# KiCad board Breadboard_power_supply.kicad_pcb (continued)
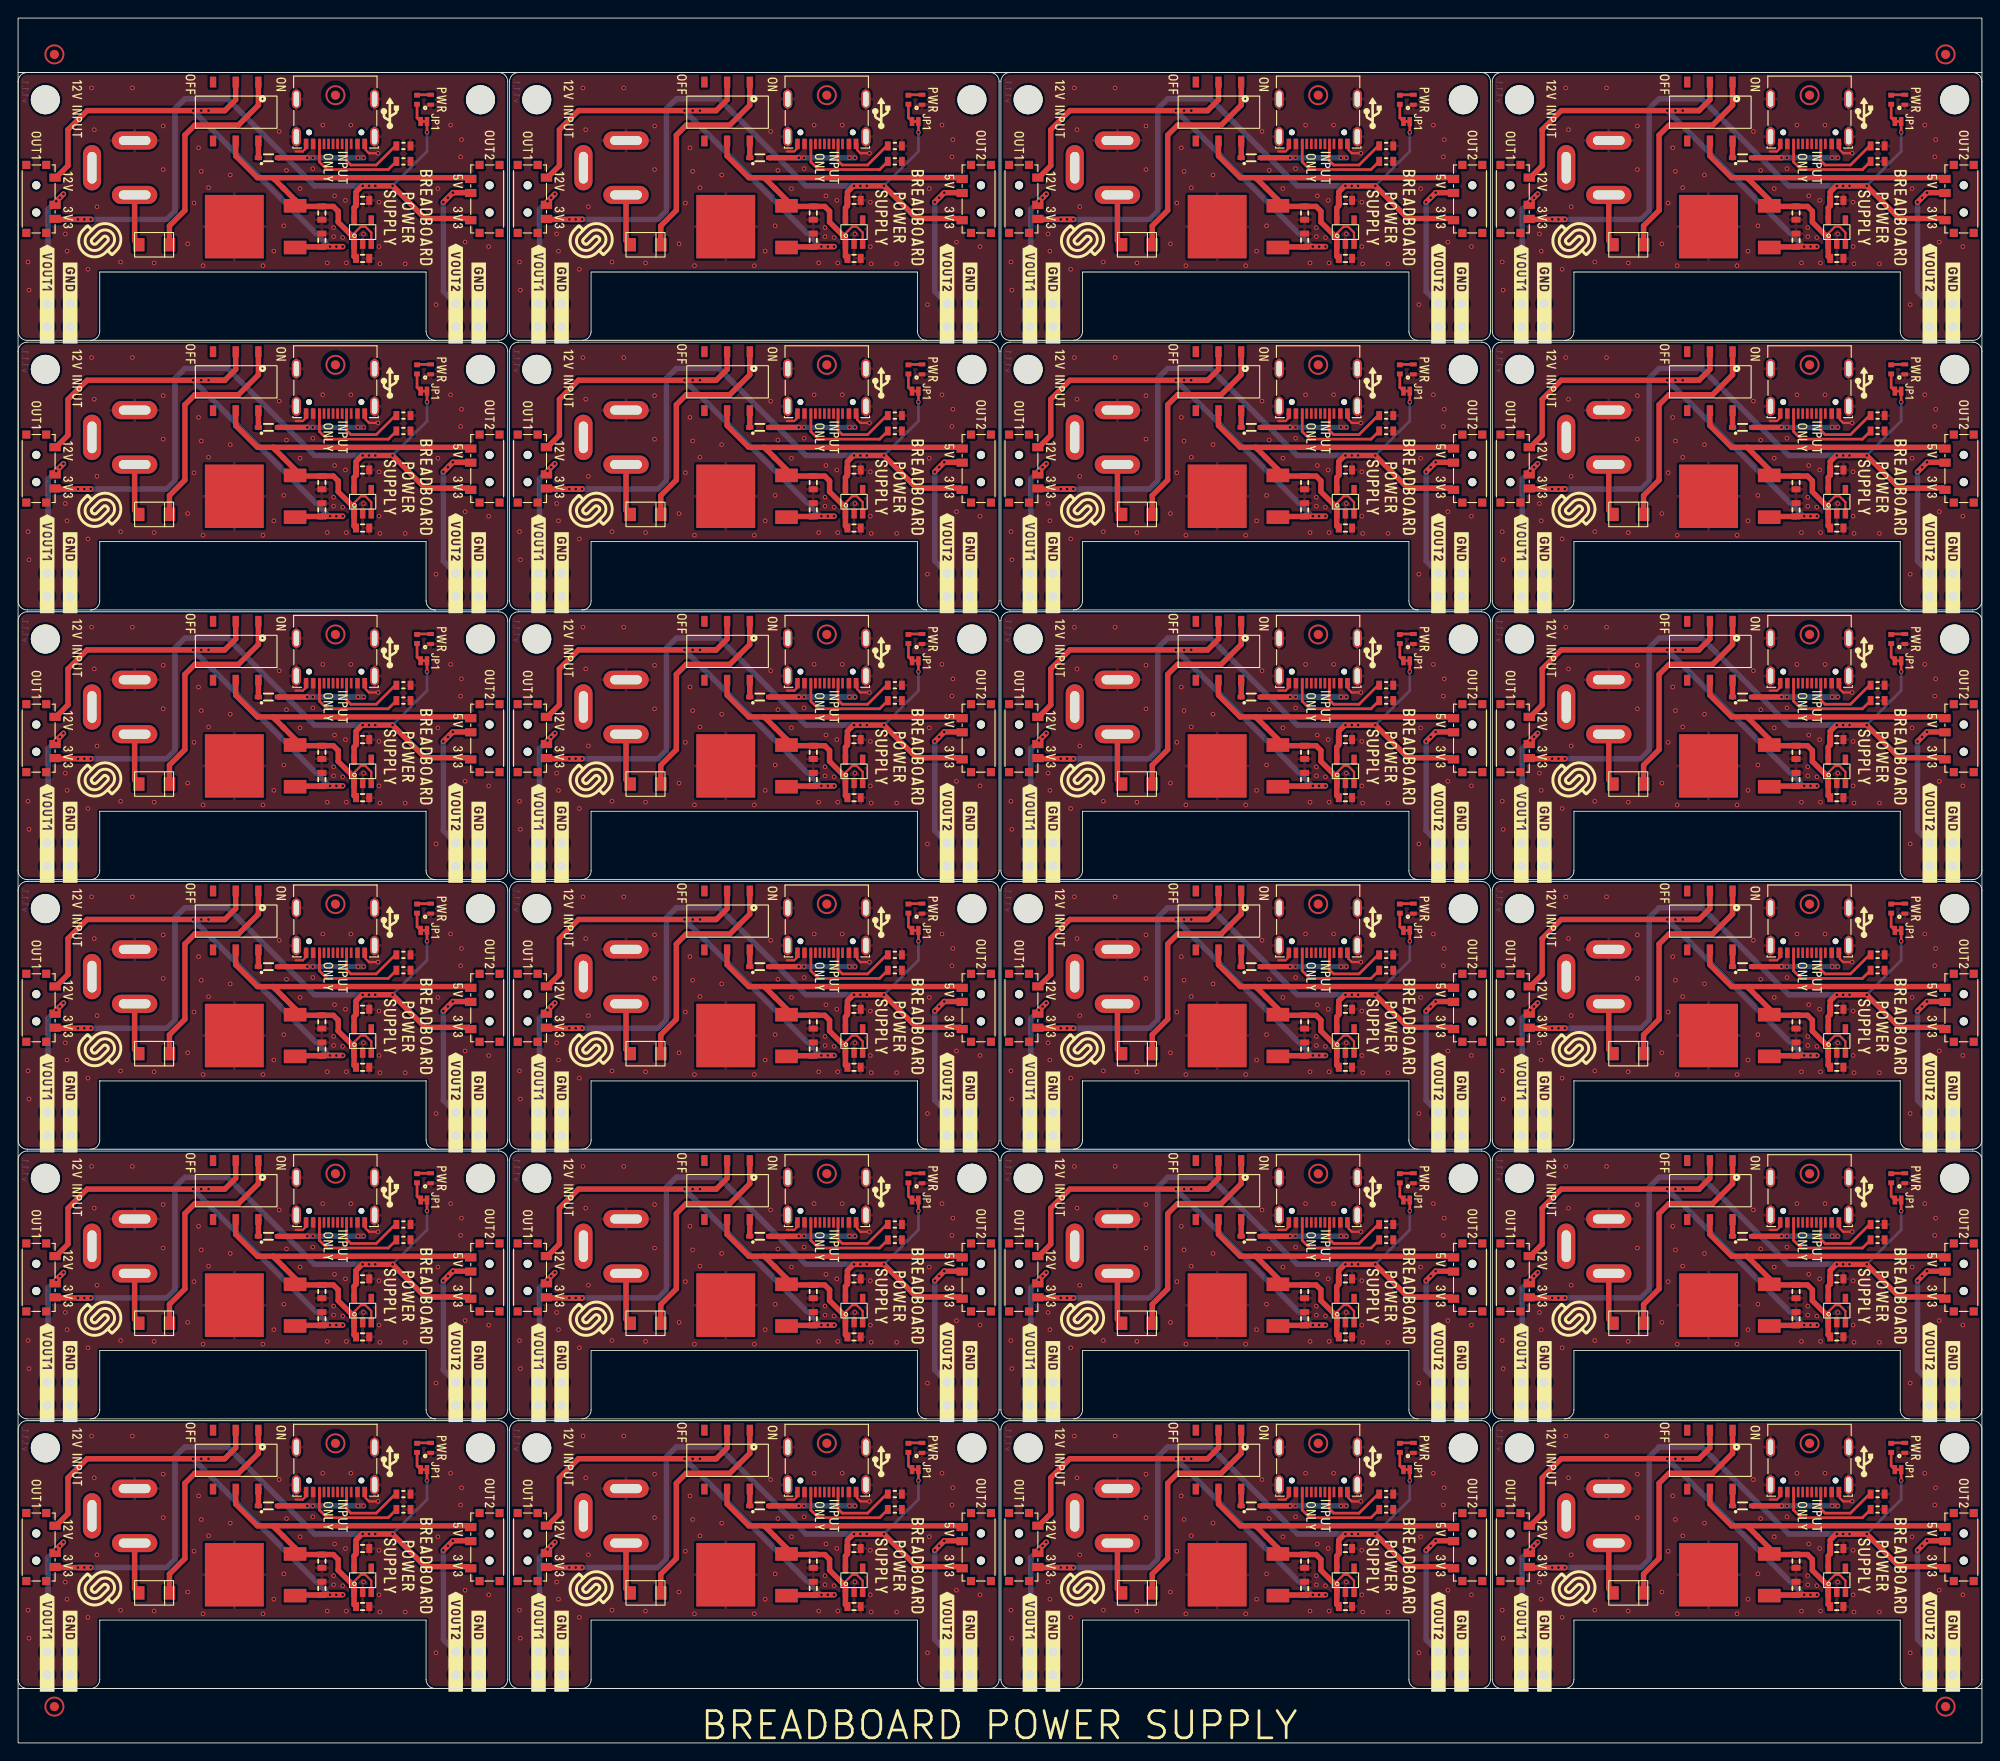
[diagram p0: board, top side]
## Routing (per net, layer and track width the routed paths; a pad name or vN(x,y) marks a point on that pad's centre or on a via; arc(x,y) is an arc through that point) (continued)
Net-(D1-Pad1): length 225.6
  Top w0.6: v1(194.5,55.88) 191.3,55.88 D1#17.1 ; v1(194.5,85.62) 191.3,85.62 D1#11.1 ; v1(140.3,145.1) 137.1,145.1 D1#21.1 ; D1.1 191.3,174.84 v1(194.5,174.84) ; v1(86.1,55.88) 82.9,55.88 D1#20.1 ; v1(194.5,115.36) 191.3,115.36 D1#6.1 ; D1#3.1 82.9,26.14 v1(86.1,26.14) ; v1(31.9,26.14) 28.7,26.14 D1#14.1 ; D1#15.1 28.7,115.36 v1(31.9,115.36) ; D1#12.1 191.3,145.1 v1(194.5,145.1) ; D1#23.1 82.9,85.62 v1(86.1,85.62) ; v1(140.3,55.88) 137.1,55.88 D1#18.1 ; v1(140.3,115.36) 137.1,115.36 D1#8.1 ; v1(140.3,26.14) 137.1,26.14 D1#7.1 ; D1#19.1 82.9,145.1 v1(86.1,145.1) ; v1(31.9,85.62) 28.7,85.62 D1#2.1 ; v1(140.3,85.62) 137.1,85.62 D1#9.1 ; v1(31.9,174.84) 28.7,174.84 D1#24.1 ; D1#4.1 82.9,174.84 v1(86.1,174.84) ; v1(194.5,26.14) 191.3,26.14 D1#22.1 ; v1(31.9,145.1) 28.7,145.1 D1#10.1 ; v1(31.9,55.88) 28.7,55.88 D1#5.1 ; D1#16.1 137.1,174.84 v1(140.3,174.84) ; v1(86.1,115.36) 82.9,115.36 D1#13.1
  Bottom w0.6: v1(146.5,145.1) v1(140.3,145.1) ; v1(92.3,55.88) v1(86.1,55.88) ; v1(146.5,85.62) v1(140.3,85.62) ; v1(92.3,115.36) v1(86.1,115.36) ; v1(146.5,115.36) v1(140.3,115.36) ; v1(146.5,174.84) v1(140.3,174.84) ; v1(92.3,174.84) v1(86.1,174.84) ; v1(200.7,145.1) v1(194.5,145.1) ; v1(38.1,85.62) v1(31.9,85.62) ; v1(38.1,115.36) v1(31.9,115.36) ; v1(200.7,174.84) v1(194.5,174.84) ; v1(146.5,26.14) v1(140.3,26.14) ; v1(92.3,26.14) v1(86.1,26.14) ; v1(92.3,85.62) v1(86.1,85.62) ; v1(200.7,115.36) v1(194.5,115.36) ; v1(38.1,26.14) v1(31.9,26.14) ; v1(200.7,85.62) v1(194.5,85.62) ; v1(38.1,55.88) v1(31.9,55.88) ; v1(38.1,145.1) v1(31.9,145.1) ; v1(200.7,55.88) v1(194.5,55.88) ; v1(92.3,145.1) v1(86.1,145.1) ; v1(38.1,174.84) v1(31.9,174.84) ; v1(200.7,26.14) v1(194.5,26.14) ; v1(146.5,55.88) v1(140.3,55.88)
  vias: v1(32.5,174.84) v1(32.5,145.1) v1(32.5,115.36) v1(32.5,85.62) v1(32.5,55.88) v1(32.5,26.14) v1(37.5,174.84) v1(37.5,145.1) v1(37.5,115.36) v1(37.5,85.62) v1(37.5,55.88) v1(37.5,26.14) v1(86.7,174.84) v1(86.7,145.1) v1(86.7,115.36) v1(86.7,85.62) v1(86.7,55.88) v1(86.7,26.14) v1(91.7,174.84) v1(91.7,145.1) v1(91.7,115.36) v1(91.7,85.62) v1(91.7,55.88) v1(91.7,26.14) v1(140.9,174.84) v1(140.9,145.1) v1(140.9,115.36) v1(140.9,85.62) v1(140.9,55.88) v1(140.9,26.14) v1(145.9,174.84) v1(145.9,145.1) v1(145.9,115.36) v1(145.9,85.62) v1(145.9,55.88) v1(145.9,26.14) v1(195.1,174.84) v1(195.1,145.1) v1(195.1,115.36) v1(195.1,85.62) v1(195.1,55.88) v1(195.1,26.14) v1(200.1,174.84) v1(200.1,145.1) v1(200.1,115.36) v1(200.1,85.62) v1(200.1,55.88) v1(200.1,26.14)
Net-(D2-Pad1): length 136.6
  Top w0.6: K2#18.1 121.25,76.48 D2#7.1 ; K2#23.1 12.85,76.48 D2#12.1 ; K2#12.1 175.45,17 D2#24.1 ; D2#22.1 67.05,17 K2#6.1 ; D2#2.1 12.85,106.22 K2#21.1 ; K2#17.1 67.05,106.22 D2#19.1 ; K2#13.1 175.45,106.22 D2#23.1 ; K2#19.1 12.85,17 D2#17.1 ; K2#11.1 121.25,46.74 D2#4.1 ; D2#3.1 12.85,46.74 K2#20.1 ; D2#8.1 121.25,17 K2#14.1 ; K2#7.1 175.45,165.7 D2.1 ; D2#20.1 12.85,165.7 K2#4.1 ; D2#6.1 121.25,165.7 K2#3.1 ; K2#15.1 67.05,46.74 D2#10.1 ; D2#9.1 67.05,135.96 K2#10.1 ; D2#5.1 175.45,76.48 K2#22.1 ; D2#16.1 12.85,135.96 K2#5.1 ; D2#15.1 67.05,76.48 K2.1 ; D2#21.1 175.45,46.74 K2#8.1 ; D2#13.1 67.05,165.7 K2#2.1 ; D2#14.1 175.45,135.96 K2#16.1 ; D2#18.1 121.25,106.22 K2#9.1 ; D2#11.1 121.25,135.96 K2#24.1
Net-(D3-Pad1): length 36.5
  Top w0.3: R3#19.2 152.45,33.09 D3#7.1 ; D3#4.1 206.65,122.31 R3.2 ; R3#5.2 98.25,181.79 D3#23.1 ; D3#19.1 44.05,33.09 R3#12.2 ; D3#13.1 44.05,92.57 R3#22.2 ; R3#6.2 152.45,181.79 D3#2.1 ; R3#21.2 44.05,62.83 D3#8.1 ; D3#24.1 206.65,92.57 R3#2.2 ; R3#23.2 206.65,62.83 D3#6.1 ; R3#9.2 44.05,152.05 D3#12.1 ; D3#18.1 152.45,62.83 R3#16.2 ; D3#9.1 98.25,122.31 R3#15.2 ; R3#14.2 152.45,152.05 D3#14.1 ; D3#22.1 98.25,33.09 R3#11.2 ; R3#3.2 44.05,181.79 D3#17.1 ; R3#7.2 152.45,122.31 D3#3.1 ; R3#4.2 152.45,92.57 D3#15.1 ; R3#24.2 98.25,152.05 D3#16.1 ; D3#11.1 98.25,92.57 R3#20.2 ; D3.1 206.65,152.05 R3#13.2 ; R3#8.2 206.65,181.79 D3#21.1 ; D3#5.1 44.05,122.31 R3#10.2 ; R3#18.2 98.25,62.83 D3#20.1 ; D3#10.1 206.65,33.09 R3#17.2
Net-(JP1-Pad2): length 49.6
  Top w0.3: JP1#17.2 152.4,179.24 R3#6.1 ; R3#23.1 206.6,60.28 JP1#11.2 ; JP1#15.2 98.2,90.02 R3#20.1 ; JP1#20.2 152.4,30.54 R3#19.1 ; JP1#10.2 44,179.24 R3#3.1 ; JP1#4.2 98.2,60.28 R3#18.1 ; JP1#3.2 44,60.28 R3#21.1 ; R3#15.1 98.2,119.76 JP1#16.2 ; R3#12.1 44,30.54 JP1#22.2 ; JP1#6.2 152.4,149.5 R3#14.1 ; R3.1 206.6,119.76 JP1#18.2 ; R3#11.1 98.2,30.54 JP1#5.2 ; R3#5.1 98.2,179.24 JP1#21.2 ; R3#24.1 98.2,149.5 JP1#2.2 ; JP1#12.2 152.4,119.76 R3#7.1 ; R3#17.1 206.6,30.54 JP1#9.2 ; JP1#8.2 206.6,179.24 R3#8.1 ; JP1#23.2 44,119.76 R3#10.1 ; R3#2.1 206.6,90.02 JP1.2 ; JP1#14.2 152.4,60.28 R3#16.1 ; JP1#7.2 152.4,90.02 R3#4.1 ; JP1#24.2 44,149.5 R3#9.1 ; JP1#13.2 206.6,149.5 R3#13.1 ; JP1#19.2 44,90.02 R3#22.1
Net-(K1-PadA5): length 211.5
  Top w0.3: R2#9.1 41.6,176.14 39.5,174.04 36.7,174.04 36.24,174.5 36.24,176.76 ; 36.24,87.54 36.24,85.28 36.7,84.82 39.5,84.82 41.6,86.92 R2#15.1 ; 144.64,28.06 144.64,25.8 145.1,25.34 147.9,25.34 150,27.44 R2#12.1 ; R2#10.1 150,86.92 147.9,84.82 145.1,84.82 144.64,85.28 144.64,87.54 ; 204.32,27.44 204.2,27.44 202.1,25.34 199.3,25.34 198.84,25.8 198.84,28.06 ; 90.44,147.03 90.44,144.76 90.9,144.3 93.7,144.3 95.8,146.4 R2.1 ; 36.24,28.06 36.24,25.8 36.7,25.34 39.5,25.34 41.6,27.44 R2#14.1 ; 90.44,57.81 90.44,55.54 90.9,55.08 93.7,55.08 95.8,57.18 R2#21.1 ; 144.64,147.03 144.64,144.76 145.1,144.3 147.9,144.3 150,146.4 R2#17.1 ; R2#22.1 41.6,116.66 39.5,114.56 36.7,114.56 36.24,115.02 36.24,117.28 ; 90.44,87.54 90.44,85.28 90.9,84.82 93.7,84.82 95.8,86.92 R2#11.1 ; 90.44,117.28 90.44,115.02 90.9,114.56 93.7,114.56 95.8,116.66 R2#6.1 ; 198.84,176.76 198.84,174.5 199.3,174.04 202.1,174.04 204.2,176.14 204.32,176.14 ; 204.32,146.4 204.2,146.4 202.1,144.3 199.3,144.3 198.84,144.76 198.84,147.03 ; R2#20.1 41.6,57.18 39.5,55.08 36.7,55.08 36.24,55.54 36.24,57.81 ; 144.64,176.76 144.64,174.5 145.1,174.04 147.9,174.04 150,176.14 R2#23.1 ; R2#7.1 95.8,176.14 93.7,174.04 90.9,174.04 90.44,174.5 90.44,176.76 ; 198.84,57.81 198.84,55.54 199.3,55.08 202.1,55.08 204.2,57.18 204.32,57.18 ; R2#2.1 150,57.18 147.9,55.08 145.1,55.08 144.64,55.54 144.64,57.81 ; 90.44,28.06 90.44,25.8 90.9,25.34 93.7,25.34 95.8,27.44 R2#4.1 ; 204.32,116.66 204.2,116.66 202.1,114.56 199.3,114.56 198.84,115.02 198.84,117.28 ; 144.64,117.28 144.64,115.02 145.1,114.56 147.9,114.56 150,116.66 R2#3.1 ; 204.32,86.92 204.2,86.92 202.1,84.82 199.3,84.82 198.84,85.28 198.84,87.54 ; R2#16.1 41.6,146.4 39.5,144.3 36.7,144.3 36.24,144.76 36.24,147.03
Net-(K1-PadB5): length 278.3
  Top w0.3: R1#6.1 95.03,173.54 88.27,173.54 87.44,174.38 87.44,176.76 ; 195.84,176.76 195.84,174.38 196.67,173.54 203.43,173.54 204.32,174.44 ; R1.1 95.03,84.32 88.27,84.32 87.44,85.16 87.44,87.54 ; 141.64,28.06 141.64,25.68 142.47,24.84 149.22,24.84 R1#24.1 ; R1#12.1 95.03,114.06 88.27,114.06 87.44,114.9 87.44,117.28 ; R1#14.1 149.22,143.8 142.47,143.8 141.64,144.64 141.64,147.03 ; 33.24,87.54 33.24,85.16 34.07,84.32 40.83,84.32 R1#15.1 ; 195.84,117.28 195.84,114.9 196.67,114.06 203.43,114.06 204.32,114.96 ; 141.64,87.54 141.64,85.16 142.47,84.32 149.22,84.32 R1#4.1 ; 204.32,55.48 203.43,54.58 196.67,54.58 195.84,55.42 195.84,57.81 ; 141.64,176.76 141.64,174.38 142.47,173.54 149.22,173.54 R1#18.1 ; 204.32,144.7 203.43,143.8 196.67,143.8 195.84,144.64 195.84,147.03 ; R1#16.1 40.83,143.8 34.07,143.8 33.24,144.64 33.24,147.03 ; 33.24,57.81 33.24,55.42 34.07,54.58 40.83,54.58 R1#22.1 ; R1#17.1 95.03,24.84 88.27,24.84 87.44,25.68 87.44,28.06 ; 141.64,57.81 141.64,55.42 142.47,54.58 149.22,54.58 R1#5.1 ; R1#8.1 95.03,143.8 88.27,143.8 87.44,144.64 87.44,147.03 ; 87.44,57.81 87.44,55.42 88.27,54.58 95.03,54.58 R1#21.1 ; R1#11.1 40.83,114.06 34.07,114.06 33.24,114.9 33.24,117.28 ; 204.32,85.22 203.43,84.32 196.67,84.32 195.84,85.16 195.84,87.54 ; 33.24,176.76 33.24,174.38 34.07,173.54 40.83,173.54 R1#13.1 ; 141.64,117.28 141.64,114.9 142.47,114.06 149.22,114.06 R1#2.1 ; 195.84,28.06 195.84,25.68 196.67,24.84 203.43,24.84 204.32,25.74 ; R1#7.1 40.83,24.84 34.07,24.84 33.24,25.68 33.24,28.06
Net-(K3-Pad2): length 408.6
  Top w0.6: 58.3,169.59 58.33,169.59 58.33,169.97 v1(59.2,170.84) ; v1(5,22.14) 4.12,21.26 4.12,20.9 4.09,20.9 ; v1(59.2,141.1) 58.33,140.22 58.33,139.86 58.3,139.86 ; 112.5,169.59 112.53,169.59 112.53,169.97 v1(113.4,170.84) ; 112.5,80.38 112.53,80.38 112.53,80.75 v1(113.4,81.62) ; 4.09,139.86 4.12,139.86 4.12,140.22 v1(5,141.1) ; v1(59.2,22.14) 58.33,21.26 58.33,20.9 58.3,20.9 ; v1(59.2,111.36) 58.33,110.48 58.33,110.11 58.3,110.11 ; v1(113.4,141.1) 112.53,140.22 112.53,139.86 112.5,139.86 ; 166.69,50.63 166.72,50.63 166.72,51 v1(167.6,51.88) ; v1(113.4,51.88) 112.53,51 112.53,50.63 112.5,50.63 ; v1(167.6,81.62) 166.72,80.75 166.72,80.38 166.69,80.38 ; v1(59.2,81.62) 58.33,80.75 58.33,80.38 58.3,80.38 ; 166.69,20.9 166.72,20.9 166.72,21.26 v1(167.6,22.14) ; 166.69,110.11 166.72,110.11 166.72,110.48 v1(167.6,111.36) ; v1(113.4,22.14) 112.53,21.26 112.53,20.9 112.5,20.9 ; 166.69,169.59 166.72,169.59 166.72,169.97 v1(167.6,170.84) ; 4.09,80.38 4.12,80.38 4.12,80.75 v1(5,81.62) ; 58.3,50.63 58.33,50.63 58.33,51 v1(59.2,51.88) ; 4.09,110.11 4.12,110.11 4.12,110.48 v1(5,111.36) ; 112.5,110.11 112.53,110.11 112.53,110.48 v1(113.4,111.36) ; 4.09,169.59 4.12,169.59 4.12,169.97 v1(5,170.84) ; 166.69,139.86 166.72,139.86 166.72,140.22 v1(167.6,141.1) ; v1(5,51.88) 4.12,51 4.12,50.63 4.09,50.63
  Bottom w0.6: K5#16.2 K3#20.2 165.9,129.1 165.9,139.4 v1(167.6,141.1) ; v1(167.6,22.14) 165.9,20.44 165.9,10.14 K3#21.2 K5.2 ; v1(167.6,81.62) 165.9,79.92 165.9,69.62 K3#14.2 K5#5.2 ; K5#9.2 K3#2.2 57.5,69.62 57.5,79.92 v1(59.2,81.62) ; K5#17.2 K3#16.2 111.7,99.36 111.7,109.66 v1(113.4,111.36) ; K5#22.2 K3#22.2 3.3,99.36 3.3,109.66 v1(5,111.36) ; K5#19.2 K3#9.2 3.3,69.62 3.3,79.92 v1(5,81.62) ; v1(5,51.88) 3.3,50.18 3.3,39.88 K3#19.2 K5#6.2 ; v1(113.4,141.1) 111.7,139.4 111.7,129.1 K3#17.2 K5#11.2 ; v1(5,22.14) 3.3,20.44 3.3,10.14 K3#11.2 K5#24.2 ; v1(167.6,51.88) 165.9,50.18 165.9,39.88 K3#7.2 K5#23.2 ; K5#21.2 K3#8.2 165.9,158.84 165.9,169.14 v1(167.6,170.84) ; K5#10.2 K3.2 57.5,10.14 57.5,20.44 v1(59.2,22.14) ; v1(5,170.84) 3.3,169.14 3.3,158.84 K3#6.2 K5#2.2 ; v1(5,141.1) 3.3,139.4 3.3,129.1 K3#3.2 K5#7.2 ; K5#15.2 K3#13.2 57.5,99.36 57.5,109.66 v1(59.2,111.36) ; K5#4.2 K3#4.2 57.5,158.84 57.5,169.14 v1(59.2,170.84) ; v1(113.4,81.62) 111.7,79.92 111.7,69.62 K3#18.2 K5#13.2 ; v1(59.2,141.1) 57.5,139.4 57.5,129.1 K3#5.2 K5#8.2 ; v1(113.4,51.88) 111.7,50.18 111.7,39.88 K3#15.2 K5#3.2 ; v1(59.2,51.88) 57.5,50.18 57.5,39.88 K3#24.2 K5#20.2 ; v1(167.6,111.36) 165.9,109.66 165.9,99.36 K3#12.2 K5#12.2 ; K5#18.2 K3#10.2 111.7,158.84 111.7,169.14 v1(113.4,170.84) ; v1(113.4,22.14) 111.7,20.44 111.7,10.14 K3#23.2 K5#14.2
  vias: v1(4.2,170.04) v1(4.2,140.3) v1(4.2,110.56) v1(4.2,80.82) v1(4.2,51.08) v1(4.2,21.34) v1(4.6,170.44) v1(4.6,140.7) v1(4.6,110.96) v1(4.6,81.22) v1(4.6,51.48) v1(4.6,21.74) v1(58.4,170.04) v1(58.4,140.3) v1(58.4,110.56) v1(58.4,80.82) v1(58.4,51.08) v1(58.4,21.34) v1(58.8,170.44) v1(58.8,140.7) v1(58.8,110.96) v1(58.8,81.22) v1(58.8,51.48) v1(58.8,21.74) v1(112.6,170.04) v1(112.6,140.3) v1(112.6,110.56) v1(112.6,80.82) v1(112.6,51.08) v1(112.6,21.34) v1(113,170.44) v1(113,140.7) v1(113,110.96) v1(113,81.22) v1(113,51.48) v1(113,21.74) v1(166.8,170.04) v1(166.8,140.3) v1(166.8,110.56) v1(166.8,80.82) v1(166.8,51.08) v1(166.8,21.34) v1(167.2,170.44) v1(167.2,140.7) v1(167.2,110.96) v1(167.2,81.22) v1(167.2,51.48) v1(167.2,21.74)
Net-(K4-Pad2): length 461.5
  Top w0.6: 104.1,81.76 104.1,81.77 v1(102.15,81.77) v1(101.1,80.72) ; v1(46.9,21.24) v1(47.95,22.29) 49.9,22.29 49.91,22.28 ; 158.31,111.5 158.3,111.51 v1(156.35,111.51) v1(155.3,110.46) ; 104.1,170.99 104.1,170.99 v1(102.15,170.99) v1(101.1,169.94) ; v1(209.5,80.72) v1(210.55,81.77) 212.5,81.77 212.5,81.76 ; 158.31,22.28 158.3,22.29 v1(156.35,22.29) v1(155.3,21.24) ; 104.1,52.03 104.1,52.03 v1(102.15,52.03) v1(101.1,50.98) ; v1(46.9,140.2) v1(47.95,141.25) 49.9,141.25 49.91,141.25 ; 49.91,52.03 49.9,52.03 v1(47.95,52.03) v1(46.9,50.98) ; 212.5,52.03 212.5,52.03 v1(210.55,52.03) v1(209.5,50.98) ; v1(209.5,140.2) v1(210.55,141.25) 212.5,141.25 212.5,141.25 ; 49.91,170.99 49.9,170.99 v1(47.95,170.99) v1(46.9,169.94) ; 104.1,111.5 104.1,111.51 v1(102.15,111.51) v1(101.1,110.46) ; 158.31,141.25 158.3,141.25 v1(156.35,141.25) v1(155.3,140.2) ; 104.1,22.28 104.1,22.29 v1(102.15,22.29) v1(101.1,21.24) ; 158.31,81.76 158.3,81.77 v1(156.35,81.77) v1(155.3,80.72) ; 104.1,141.25 104.1,141.25 v1(102.15,141.25) v1(101.1,140.2) ; v1(209.5,169.94) v1(210.55,170.99) 212.5,170.99 212.5,170.99 ; 212.5,22.28 212.5,22.29 v1(210.55,22.29) v1(209.5,21.24) ; 158.31,170.99 158.3,170.99 v1(156.35,170.99) v1(155.3,169.94) ; 212.5,111.5 212.5,111.51 v1(210.55,111.51) v1(209.5,110.46) ; 49.91,81.76 49.9,81.77 v1(47.95,81.77) v1(46.9,80.72) ; 49.91,111.5 49.9,111.51 v1(47.95,111.51) v1(46.9,110.46) ; v1(155.3,50.98) v1(156.35,52.03) 158.3,52.03 158.31,52.03
  Bottom w0.6: K6#7.2 K4#17.2 155.3,160.1 v1(155.3,169.94) v1(156.35,170.99) ; v1(210.55,52.03) v1(209.5,50.98) 209.5,41.14 K4#11.2 K6#22.2 ; v1(210.55,170.99) v1(209.5,169.94) 209.5,160.1 K4#23.2 K6#4.2 ; v1(102.15,52.03) v1(101.1,50.98) 101.1,41.14 K4#12.2 K6#12.2 ; K6#16.2 K4#9.2 46.9,11.4 v1(46.9,21.24) v1(47.95,22.29) ; v1(102.15,141.25) v1(101.1,140.2) 101.1,130.36 K4#13.2 K6#9.2 ; v1(47.95,52.03) v1(46.9,50.98) 46.9,41.14 K4#7.2 K6#20.2 ; v1(156.35,52.03) v1(155.3,50.98) 155.3,41.14 K4#22.2 K6#15.2 ; K6#3.2 K4#14.2 46.9,160.1 v1(46.9,169.94) v1(47.95,170.99) ; v1(47.95,111.51) v1(46.9,110.46) 46.9,100.62 K4#6.2 K6#13.2 ; K6#8.2 K4#21.2 101.1,100.62 v1(101.1,110.46) v1(102.15,111.51) ; K6#24.2 K4#18.2 101.1,11.4 v1(101.1,21.24) v1(102.15,22.29) ; K6#21.2 K4#2.2 209.5,100.62 v1(209.5,110.46) v1(210.55,111.51) ; K6#10.2 K4#3.2 155.3,11.4 v1(155.3,21.24) v1(156.35,22.29) ; K6#19.2 K4#5.2 209.5,11.4 v1(209.5,21.24) v1(210.55,22.29) ; v1(156.35,111.51) v1(155.3,110.46) 155.3,100.62 K4#4.2 K6#5.2 ; v1(102.15,81.77) v1(101.1,80.72) 101.1,70.88 K4.2 K6.2 ; v1(210.55,81.77) v1(209.5,80.72) 209.5,70.88 K4#24.2 K6#17.2 ; K6#18.2 K4#8.2 46.9,130.36 v1(46.9,140.2) v1(47.95,141.25) ; K6#11.2 K4#16.2 101.1,160.1 v1(101.1,169.94) v1(102.15,170.99) ; v1(210.55,141.25) v1(209.5,140.2) 209.5,130.36 K4#20.2 K6#6.2 ; v1(156.35,81.77) v1(155.3,80.72) 155.3,70.88 K4#10.2 K6#2.2 ; K6#23.2 K4#19.2 46.9,70.88 v1(46.9,80.72) v1(47.95,81.77) ; K6#14.2 K4#15.2 155.3,130.36 v1(155.3,140.2) v1(156.35,141.25)
  vias: v1(47.4,170.44) v1(47.4,140.7) v1(47.4,110.96) v1(47.4,81.22) v1(47.4,51.48) v1(47.4,21.74) v1(101.6,170.44) v1(101.6,140.7) v1(101.6,110.96) v1(101.6,81.22) v1(101.6,51.48) v1(101.6,21.74) v1(155.8,170.44) v1(155.8,140.7) v1(155.8,110.96) v1(155.8,81.22) v1(155.8,51.48) v1(155.8,21.74) v1(210,170.44) v1(210,140.7) v1(210,110.96) v1(210,81.22) v1(210,51.48) v1(210,21.74)

## Copper pours and planes (outline as drawn; the poured copper is in the pictures)
GND on Top, Bottom: 45,65.48 45,73.02 9,73.02 9,65.48 0,65.48 0,95.02 54,95.02 54,65.48
GND on Top, Bottom: 99.2,154.7 99.2,162.24 63.2,162.24 63.2,154.7 54.2,154.7 54.2,184.24 108.2,184.24 108.2,154.7
GND on Top, Bottom: 45,35.74 45,43.28 9,43.28 9,35.74 0,35.74 0,65.28 54,65.28 54,35.74
GND on Top, Bottom: 153.4,124.96 153.4,132.5 117.4,132.5 117.4,124.96 108.4,124.96 108.4,154.5 162.4,154.5 162.4,124.96
GND on Top, Bottom: 207.6,154.7 207.6,162.24 171.6,162.24 171.6,154.7 162.6,154.7 162.6,184.24 216.6,184.24 216.6,154.7
GND on Top, Bottom: 207.6,35.74 207.6,43.28 171.6,43.28 171.6,35.74 162.6,35.74 162.6,65.28 216.6,65.28 216.6,35.74
GND on Top, Bottom: 45,95.22 45,102.76 9,102.76 9,95.22 0,95.22 0,124.76 54,124.76 54,95.22
GND on Top, Bottom: 153.4,95.22 153.4,102.76 117.4,102.76 117.4,95.22 108.4,95.22 108.4,124.76 162.4,124.76 162.4,95.22
GND on Top, Bottom: 153.4,6 153.4,13.54 117.4,13.54 117.4,6 108.4,6 108.4,35.54 162.4,35.54 162.4,6
GND on Top, Bottom: 207.6,124.96 207.6,132.5 171.6,132.5 171.6,124.96 162.6,124.96 162.6,154.5 216.6,154.5 216.6,124.96
GND on Top, Bottom: 99.2,95.22 99.2,102.76 63.2,102.76 63.2,95.22 54.2,95.22 54.2,124.76 108.2,124.76 108.2,95.22
GND on Top, Bottom: 45,154.7 45,162.24 9,162.24 9,154.7 0,154.7 0,184.24 54,184.24 54,154.7
GND on Top, Bottom: 207.6,95.22 207.6,102.76 171.6,102.76 171.6,95.22 162.6,95.22 162.6,124.76 216.6,124.76 216.6,95.22
GND on Top, Bottom: 153.4,35.74 153.4,43.28 117.4,43.28 117.4,35.74 108.4,35.74 108.4,65.28 162.4,65.28 162.4,35.74
GND on Top, Bottom: 153.4,154.7 153.4,162.24 117.4,162.24 117.4,154.7 108.4,154.7 108.4,184.24 162.4,184.24 162.4,154.7
GND on Top, Bottom: 99.2,35.74 99.2,43.28 63.2,43.28 63.2,35.74 54.2,35.74 54.2,65.28 108.2,65.28 108.2,35.74
GND on Top, Bottom: 207.6,6 207.6,13.54 171.6,13.54 171.6,6 162.6,6 162.6,35.54 216.6,35.54 216.6,6
GND on Top, Bottom: 99.2,6 99.2,13.54 63.2,13.54 63.2,6 54.2,6 54.2,35.54 108.2,35.54 108.2,6
GND on Top, Bottom: 99.2,124.96 99.2,132.5 63.2,132.5 63.2,124.96 54.2,124.96 54.2,154.5 108.2,154.5 108.2,124.96
GND on Top, Bottom: 207.6,65.48 207.6,73.02 171.6,73.02 171.6,65.48 162.6,65.48 162.6,95.02 216.6,95.02 216.6,65.48
GND on Top, Bottom: 99.2,65.48 99.2,73.02 63.2,73.02 63.2,65.48 54.2,65.48 54.2,95.02 108.2,95.02 108.2,65.48
GND on Top, Bottom: 45,124.96 45,132.5 9,132.5 9,124.96 0,124.96 0,154.5 54,154.5 54,124.96
GND on Top, Bottom: 153.4,65.48 153.4,73.02 117.4,73.02 117.4,65.48 108.4,65.48 108.4,95.02 162.4,95.02 162.4,65.48
GND on Top, Bottom: 45,6 45,13.54 9,13.54 9,6 0,6 0,35.54 54,35.54 54,6
Net-(D1-Pad1) on Top: 195.3,115.06 194.3,115.06 194.2,115.16 194.2,115.56 194.9,116.26 194.9,117.46 195.4,117.46 195.4,115.16
Net-(D1-Pad1) on Top: 195.3,55.58 194.3,55.58 194.2,55.68 194.2,56.08 194.9,56.78 194.9,57.98 195.4,57.98 195.4,55.68
Net-(D1-Pad1) on Top: 86.9,55.58 85.9,55.58 85.8,55.68 85.8,56.08 86.5,56.78 86.5,57.98 87,57.98 87,55.68
Net-(D1-Pad1) on Top: 201,175.04 201,174.64 200.9,174.54 199.9,174.54 199.8,174.64 199.8,176.94 200.3,176.94 200.3,175.74
Net-(D1-Pad1) on Top: 92.6,56.08 92.6,55.68 92.5,55.58 91.5,55.58 91.4,55.68 91.4,57.98 91.9,57.98 91.9,56.78
Net-(D1-Pad1) on Top: 38.4,145.3 38.4,144.9 38.3,144.8 37.3,144.8 37.2,144.9 37.2,147.2 37.7,147.2 37.7,146
Net-(D1-Pad1) on Top: 92.6,115.56 92.6,115.16 92.5,115.06 91.5,115.06 91.4,115.16 91.4,117.46 91.9,117.46 91.9,116.26
Net-(D1-Pad1) on Top: 201,115.56 201,115.16 200.9,115.06 199.9,115.06 199.8,115.16 199.8,117.46 200.3,117.46 200.3,116.26
Net-(D1-Pad1) on Top: 195.3,174.54 194.3,174.54 194.2,174.64 194.2,175.04 194.9,175.74 194.9,176.94 195.4,176.94 195.4,174.64
Net-(D1-Pad1) on Top: 201,85.82 201,85.42 200.9,85.32 199.9,85.32 199.8,85.42 199.8,87.72 200.3,87.72 200.3,86.52
Net-(D1-Pad1) on Top: 32.7,115.06 31.7,115.06 31.6,115.16 31.6,115.56 32.3,116.26 32.3,117.46 32.8,117.46 32.8,115.16
Net-(D1-Pad1) on Top: 92.6,145.3 92.6,144.9 92.5,144.8 91.5,144.8 91.4,144.9 91.4,147.2 91.9,147.2 91.9,146
Net-(D1-Pad1) on Top: 201,145.3 201,144.9 200.9,144.8 199.9,144.8 199.8,144.9 199.8,147.2 200.3,147.2 200.3,146
Net-(D1-Pad1) on Top: 32.7,174.54 31.7,174.54 31.6,174.64 31.6,175.04 32.3,175.74 32.3,176.94 32.8,176.94 32.8,174.64
Net-(D1-Pad1) on Top: 86.9,115.06 85.9,115.06 85.8,115.16 85.8,115.56 86.5,116.26 86.5,117.46 87,117.46 87,115.16
Net-(D1-Pad1) on Top: 141.1,174.54 140.1,174.54 140,174.64 140,175.04 140.7,175.74 140.7,176.94 141.2,176.94 141.2,174.64
Net-(D1-Pad1) on Top: 195.3,144.8 194.3,144.8 194.2,144.9 194.2,145.3 194.9,146 194.9,147.2 195.4,147.2 195.4,144.9
Net-(D1-Pad1) on Top: 141.1,25.84 140.1,25.84 140,25.94 140,26.34 140.7,27.04 140.7,28.24 141.2,28.24 141.2,25.94
Net-(D1-Pad1) on Top: 86.9,174.54 85.9,174.54 85.8,174.64 85.8,175.04 86.5,175.74 86.5,176.94 87,176.94 87,174.64
Net-(D1-Pad1) on Top: 141.1,144.8 140.1,144.8 140,144.9 140,145.3 140.7,146 140.7,147.2 141.2,147.2 141.2,144.9
Net-(D1-Pad1) on Top: 86.9,144.8 85.9,144.8 85.8,144.9 85.8,145.3 86.5,146 86.5,147.2 87,147.2 87,144.9
Net-(D1-Pad1) on Top: 92.6,26.34 92.6,25.94 92.5,25.84 91.5,25.84 91.4,25.94 91.4,28.24 91.9,28.24 91.9,27.04
Net-(D1-Pad1) on Top: 38.4,26.34 38.4,25.94 38.3,25.84 37.3,25.84 37.2,25.94 37.2,28.24 37.7,28.24 37.7,27.04
Net-(D1-Pad1) on Top: 32.7,85.32 31.7,85.32 31.6,85.42 31.6,85.82 32.3,86.52 32.3,87.72 32.8,87.72 32.8,85.42
Net-(D1-Pad1) on Top: 86.9,85.32 85.9,85.32 85.8,85.42 85.8,85.82 86.5,86.52 86.5,87.72 87,87.72 87,85.42
Net-(D1-Pad1) on Top: 146.8,145.3 146.8,144.9 146.7,144.8 145.7,144.8 145.6,144.9 145.6,147.2 146.1,147.2 146.1,146
Net-(D1-Pad1) on Top: 92.6,175.04 92.6,174.64 92.5,174.54 91.5,174.54 91.4,174.64 91.4,176.94 91.9,176.94 91.9,175.74
Net-(D1-Pad1) on Top: 141.1,85.32 140.1,85.32 140,85.42 140,85.82 140.7,86.52 140.7,87.72 141.2,87.72 141.2,85.42
Net-(D1-Pad1) on Top: 201,26.34 201,25.94 200.9,25.84 199.9,25.84 199.8,25.94 199.8,28.24 200.3,28.24 200.3,27.04
Net-(D1-Pad1) on Top: 195.3,25.84 194.3,25.84 194.2,25.94 194.2,26.34 194.9,27.04 194.9,28.24 195.4,28.24 195.4,25.94
Net-(D1-Pad1) on Top: 146.8,115.56 146.8,115.16 146.7,115.06 145.7,115.06 145.6,115.16 145.6,117.46 146.1,117.46 146.1,116.26
Net-(D1-Pad1) on Top: 38.4,175.04 38.4,174.64 38.3,174.54 37.3,174.54 37.2,174.64 37.2,176.94 37.7,176.94 37.7,175.74
Net-(D1-Pad1) on Top: 32.7,55.58 31.7,55.58 31.6,55.68 31.6,56.08 32.3,56.78 32.3,57.98 32.8,57.98 32.8,55.68
Net-(D1-Pad1) on Top: 146.8,56.08 146.8,55.68 146.7,55.58 145.7,55.58 145.6,55.68 145.6,57.98 146.1,57.98 146.1,56.78
Net-(D1-Pad1) on Top: 86.9,25.84 85.9,25.84 85.8,25.94 85.8,26.34 86.5,27.04 86.5,28.24 87,28.24 87,25.94
Net-(D1-Pad1) on Top: 38.4,85.82 38.4,85.42 38.3,85.32 37.3,85.32 37.2,85.42 37.2,87.72 37.7,87.72 37.7,86.52
Net-(D1-Pad1) on Top: 92.6,85.82 92.6,85.42 92.5,85.32 91.5,85.32 91.4,85.42 91.4,87.72 91.9,87.72 91.9,86.52
Net-(D1-Pad1) on Top: 32.7,25.84 31.7,25.84 31.6,25.94 31.6,26.34 32.3,27.04 32.3,28.24 32.8,28.24 32.8,25.94
Net-(D1-Pad1) on Top: 38.4,115.56 38.4,115.16 38.3,115.06 37.3,115.06 37.2,115.16 37.2,117.46 37.7,117.46 37.7,116.26
Net-(D1-Pad1) on Top: 146.8,26.34 146.8,25.94 146.7,25.84 145.7,25.84 145.6,25.94 145.6,28.24 146.1,28.24 146.1,27.04
Net-(D1-Pad1) on Top: 201,56.08 201,55.68 200.9,55.58 199.9,55.58 199.8,55.68 199.8,57.98 200.3,57.98 200.3,56.78
Net-(D1-Pad1) on Top: 32.7,144.8 31.7,144.8 31.6,144.9 31.6,145.3 32.3,146 32.3,147.2 32.8,147.2 32.8,144.9
Net-(D1-Pad1) on Top: 141.1,115.06 140.1,115.06 140,115.16 140,115.56 140.7,116.26 140.7,117.46 141.2,117.46 141.2,115.16
Net-(D1-Pad1) on Top: 195.3,85.32 194.3,85.32 194.2,85.42 194.2,85.82 194.9,86.52 194.9,87.72 195.4,87.72 195.4,85.42
Net-(D1-Pad1) on Top: 146.8,175.04 146.8,174.64 146.7,174.54 145.7,174.54 145.6,174.64 145.6,176.94 146.1,176.94 146.1,175.74
Net-(D1-Pad1) on Top: 141.1,55.58 140.1,55.58 140,55.68 140,56.08 140.7,56.78 140.7,57.98 141.2,57.98 141.2,55.68
Net-(D1-Pad1) on Top: 38.4,56.08 38.4,55.68 38.3,55.58 37.3,55.58 37.2,55.68 37.2,57.98 37.7,57.98 37.7,56.78
Net-(D1-Pad1) on Top: 146.8,85.82 146.8,85.42 146.7,85.32 145.7,85.32 145.6,85.42 145.6,87.72 146.1,87.72 146.1,86.52

## Text on the board
F.Silkscreen: BREADBOARD POWER SUPPLY
User.8: V-CUT
User.9: CUTOUT
